# Altium PCB UltraZohm_Analog_Adapter_MAX11331.PcbDoc (part 1 of 2) (continued)
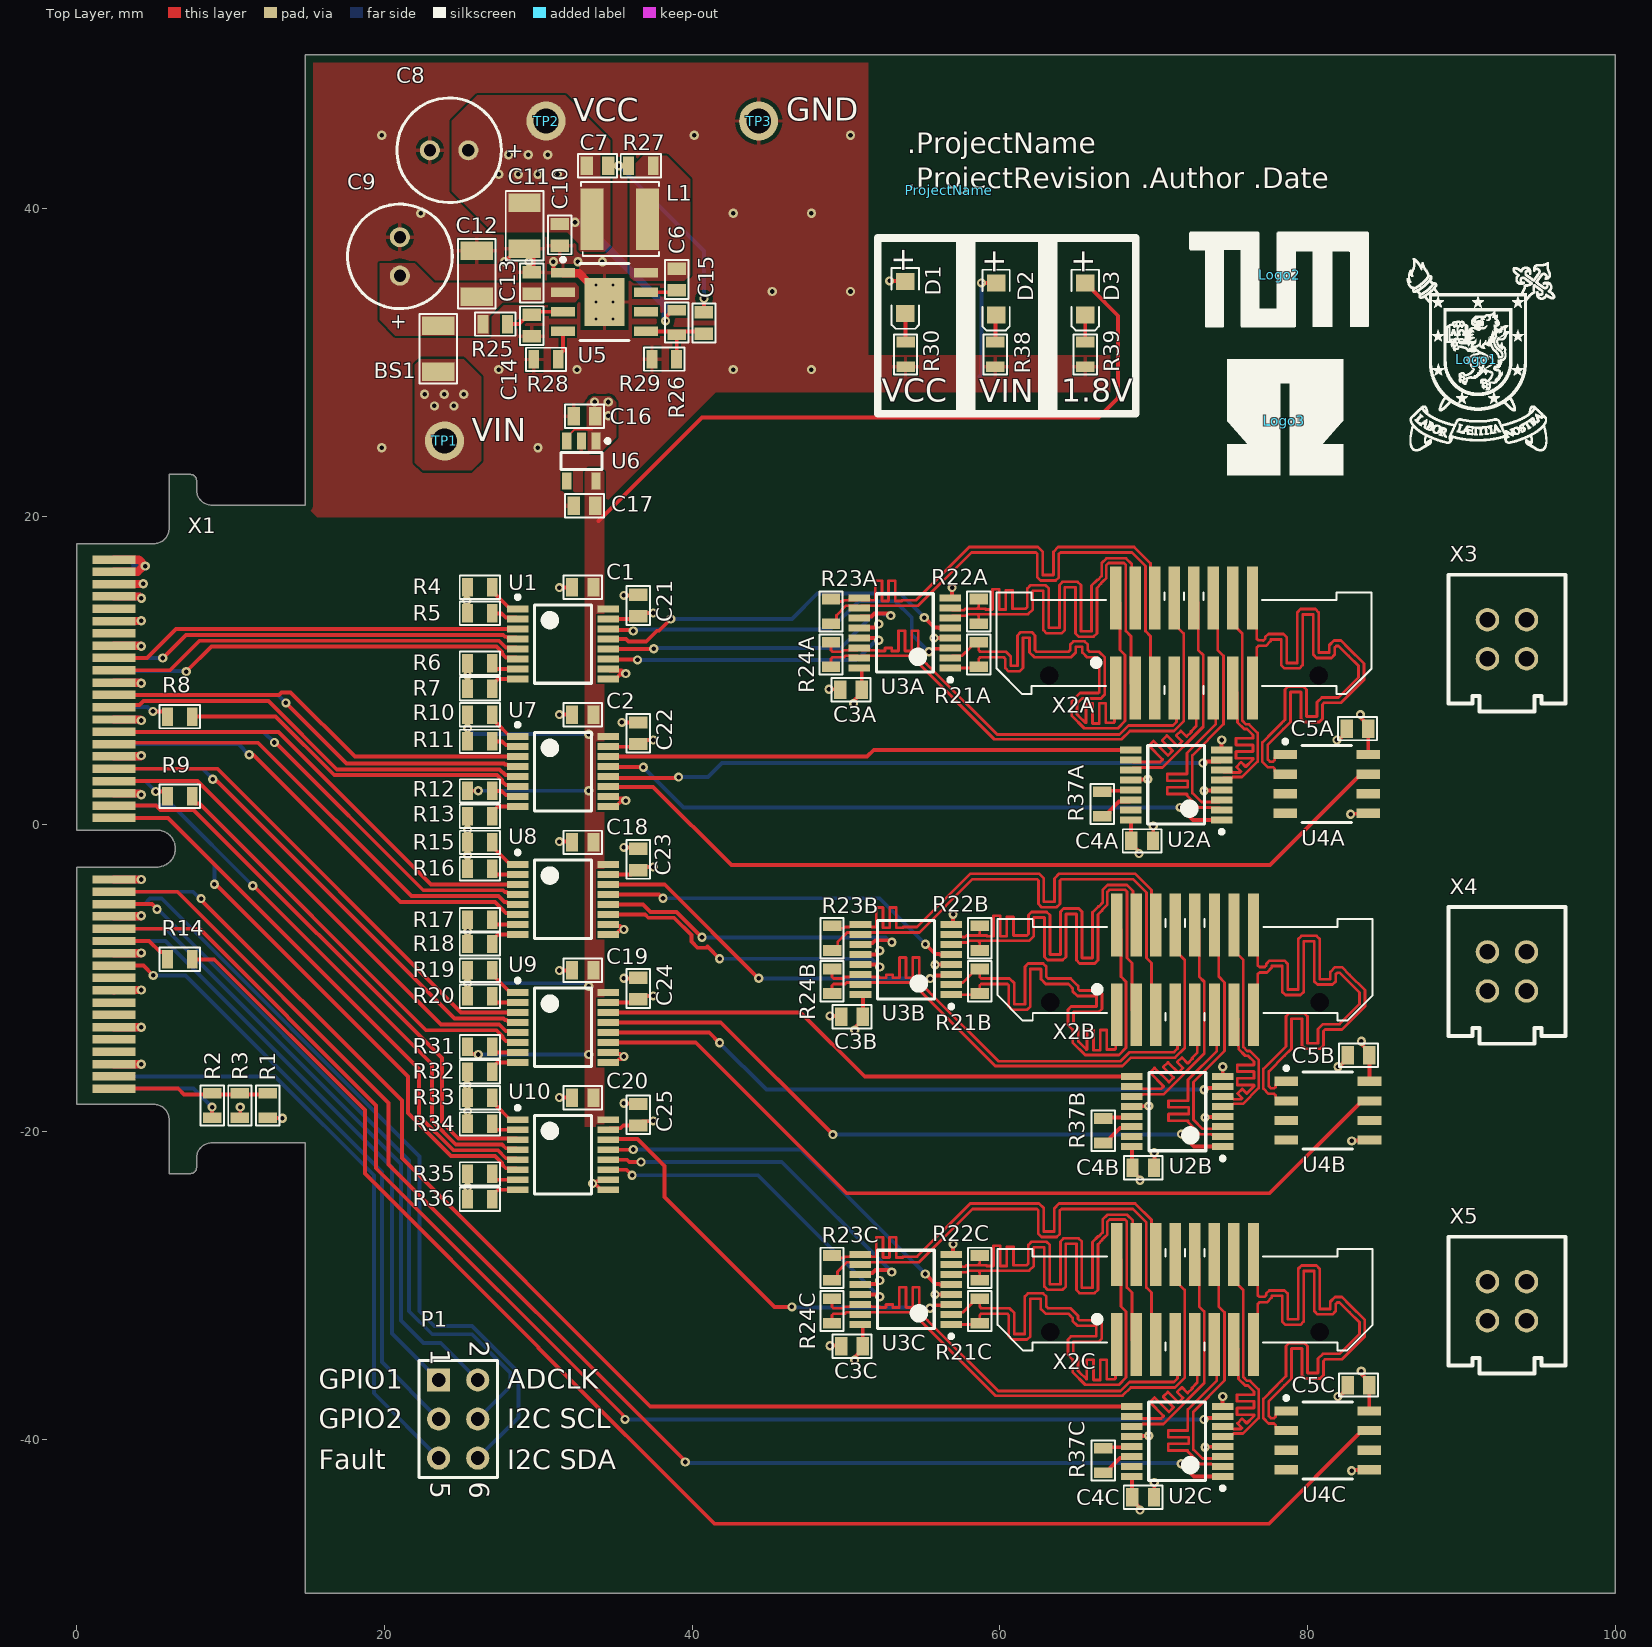
[diagram p0: Top Layer view]
## Components (designator, comment, footprint, x,y, rotation, side; value= is the part's Value field where it differs from the comment)
BS1 "Ferrite bead" RES_1206 23.5,29.4 r0 top
C1 "100nF" CAP_0603 33.581,15.4 r270 top
C2 "100nF" CAP_0603 33.581,7.1 r270 top
C3A "100nF" CAP_0603 51.024,8.719 r270 top (schematic designator C3)
C3B "100nF" CAP_0603 51.092,-12.52 r270 top (schematic designator C3)
C3C "100nF" CAP_0603 51.089,-33.958 r270 top (schematic designator C3)
C4A "100nF" CAP_0603 68.553,-1.102 r90 top (schematic designator C4)
C4B "100nF" CAP_0603 68.621,-22.341 r90 top (schematic designator C4)
C4C "100nF" CAP_0603 68.617,-43.779 r90 top (schematic designator C4)
C5A "100nF" CAP_0603 83.954,6.205 r270 top (schematic designator C5)
C5B "100nF" CAP_0603 84.022,-15.034 r270 top (schematic designator C5)
C5C "100nF" CAP_0603 84.018,-36.472 r270 top (schematic designator C5)
C6 "2.2nF" CAP_0603 39,36.1 r0 top
C7 "1.2nF" CAP_0603 33.144,42.799 r90 top
C8 "68µF" WCAP-ATG8_6.3x11 24.2,43.8 r0 top
C9 "68µF" WCAP-ATG8_6.3x11 21,36.9 r270 top
C10 "100nF" CAP_0603 31.4,39 r0 top
C11 "10µF" RES_1206 29.1,40.4 r180 top
C12 "10µF" RES_1206 26,34.27 r0 top
C13 "100nF" CAP_0603 29.56,34.47 r180 top
C14 "1µF" CAP_0603 29.56,33.1 r0 top
C15 "91pF" CAP_0603 40.767,33.274 r0 top
C16 "1µF" CAP_0603 33.7,26.5 r270 top
C17 "1µF" CAP_0603 33.7,20.7 r270 top
C18 "100nF" CAP_0603 33.581,-1.2 r270 top
C19 "100nF" CAP_0603 33.581,-9.5 r270 top
C20 "100nF" CAP_0603 33.581,-17.8 r270 top
C21 "100nF" CAP_0603 36.5,13.5 r180 top
C22 "100nF" CAP_0603 36.5,5.2 r180 top
C23 "100nF" CAP_0603 36.5,-3 r180 top
C24 "100nF" CAP_0603 36.5,-11.4 r180 top
C25 "100nF" CAP_0603 36.5,-19.6 r180 top
D1 "VCC" LED_0805_GREEN 53.856,34.227 r270 top
D2 "VIN" LED_0805_GREEN 59.756,34.127 r270 top
D3 "1.8V" LED_0805_GREEN 65.556,34.127 r270 top
L1 "33µH" "Inductor 5030" 35.3,39.33 r180 top
Logo1 "LOGO USACH" "Logo Usach" 91,30.2 r0 top
Logo2 "LOGO TUM" "Logo TUM" 78.2,35.7 r0 top
Logo3 "LOGO G.S. Ohm" "Logo G.S.Ohm University" 78.5,26.2 r0 top
P1 "Header 3X2" HDR2X3 23.52,-36.144 r270 top
ProjectName "Project Name, Rev" ID_ProjectRev 56.7,41.2 r0 top
R1 "DNP" RES_0603 12.4,-17.5 r0 top value=0
R2 "0" RES_0603 8.8,-19.1 r180 top
R3 "DNP" RES_0603 10.6,-17.5 r0 top value=0
R4 "10k" RES_0603 25.4,15.4 r90 top
R5 "10k" RES_0603 25.4,13.694 r90 top
R6 "10k" RES_0603 25.4,10.45 r90 top
R7 "10k" RES_0603 25.4,8.8 r90 top
R8 "0R" RES_0603 7.493,6.985 r270 top
R9 "0R" RES_0603 7.493,1.8 r270 top
R10 "10k" RES_0603 25.4,7.1 r90 top
R11 "10k" RES_0603 25.4,5.368 r90 top
R12 "10k" RES_0603 25.4,2.15 r90 top
R13 "10k" RES_0603 25.4,0.5 r90 top
R14 "0R" RES_0603 5.893,-8.8 r90 top
R15 "10k" RES_0603 25.4,-1.2 r90 top
R16 "10k" RES_0603 25.4,-2.9 r90 top
R17 "10k" RES_0603 25.4,-6.226 r90 top
R18 "10k" RES_0603 25.4,-7.8 r90 top
R19 "10k" RES_0603 25.4,-9.5 r90 top
R20 "10k" RES_0603 25.4,-11.2 r90 top
R21A "100R" RES_0603 58.624,10.219 r180 top (schematic designator R21)
R21B "100R" RES_0603 58.692,-11.02 r180 top (schematic designator R21)
R21C "100R" RES_0603 58.689,-32.458 r180 top (schematic designator R21)
R22A "100R" RES_0603 58.624,14.619 r0 top (schematic designator R22)
R22B "100R" RES_0603 58.692,-6.62 r0 top (schematic designator R22)
R22C "100R" RES_0603 58.689,-28.058 r0 top (schematic designator R22)
R23A "100R" RES_0603 49.024,14.619 r0 top (schematic designator R23)
R23B "100R" RES_0603 49.092,-6.62 r0 top (schematic designator R23)
R23C "100R" RES_0603 49.089,-28.058 r0 top (schematic designator R23)
R24A "100R" RES_0603 49.024,10.219 r180 top (schematic designator R24)
R24B "100R" RES_0603 49.092,-11.02 r180 top (schematic designator R24)
R24C "100R" RES_0603 49.089,-32.458 r180 top (schematic designator R24)
R25 "2.2M" RES_0603 28,32.5 r270 top
R26 "200k" RES_0603 38.989,31.801 r180 top
R27 "115k" RES_0603 35.865,42.799 r90 top
R28 "10k" RES_0603 29.7,30.2 r90 top
R29 "100k" RES_0603 37.389,30.226 r90 top
R30 "330" RES_0603 53.87,31.327 r0 top
R31 "10k" RES_0603 25.4,-14.475 r90 top
R32 "10k" RES_0603 25.4,-16.1 r90 top
R33 "10k" RES_0603 25.4,-17.8 r90 top
R34 "10k" RES_0603 25.4,-19.5 r90 top
R35 "10k" RES_0603 25.4,-22.75 r90 top
R36 "10k" RES_0603 25.4,-24.4 r90 top
R37A "100R" RES_0603 66.653,0.498 r180 top (schematic designator R37)
R37B "100R" RES_0603 66.721,-20.741 r180 top (schematic designator R37)
R37C "100R" RES_0603 66.717,-42.179 r180 top (schematic designator R37)
R38 "20k" RES_0603 59.712,31.327 r0 top
R39 "100R" RES_0603 65.554,31.327 r0 top
TP1 "VIN" TP_1.6mm 23.9,24.9 r0 top
TP2 "VCC" TP_1.6mm 30.5,45.7 r0 top
TP3 "GND" TP_1.6mm 44.323,45.7 r0 top
U1 "SN74AVC4T774" TSOP65P640X120-16N 31.6,11.7 r0 top
U2A "Quad LVDS driver" TSOP65P640X120-16N 71.468,2.545 r180 top (schematic designator U2)
U2B "Quad LVDS driver" TSOP65P640X120-16N 71.536,-18.694 r180 top (schematic designator U2)
U2C "Quad LVDS driver" TSOP65P640X120-16N 71.532,-40.132 r180 top (schematic designator U2)
U3A "Quad LVDS reciever" TSOP65P640X120-16N 53.824,12.419 r180 top (schematic designator U3)
U3B "Quad LVDS reciever" TSOP65P640X120-16N 53.892,-8.82 r180 top (schematic designator U3)
U3C "Quad LVDS reciever" TSOP65P640X120-16N 53.889,-30.258 r180 top (schematic designator U3)
U4A "Signle LVDS receiver" SOIC127P600X170_HS-9N_no_THP 81.254,2.605 r0 top (schematic designator U4)
U4B "Signle LVDS receiver" SOIC127P600X170_HS-9N_no_THP 81.322,-18.634 r0 top (schematic designator U4)
U4C "Signle LVDS receiver" SOIC127P600X170_HS-9N_no_THP 81.318,-40.072 r0 top (schematic designator U4)
U5 "buck converter" SOIC127P600X170_HS-9N 34.3,33.935 r0 top
U6 "LDO" SOT-23-5 32.8,23.6 r90 top
U7 "SN74AVC4T774" TSOP65P640X120-16N 31.6,3.4 r0 top
U8 "SN74AVC4T774" TSOP65P640X120-16N 31.6,-4.9 r0 top
U9 "SN74AVC4T774" TSOP65P640X120-16N 31.6,-13.225 r0 top
U10 "SN74AVC4T774" TSOP65P640X120-16N 31.6,-21.5 r0 top
X1 "HSEC8-140-01-XX-DV-A-BL-CARD" HSEC8-140-01-XX-DV-A-BL-CARD 0.013,-0.007 r270 bottom
X2A "2x8 Pin" EHF-108-01-F-D-SM 71.978,11.76 r0 top (schematic designator X2)
X2B "2x8 Pin" EHF-108-01-F-D-SM 72.046,-9.479 r0 top (schematic designator X2)
X2C "2x8 Pin" EHF-108-01-F-D-SM 72.042,-30.917 r0 top (schematic designator X2)
X3 "IPL1-102-01-L-D-K" IPL1-102-01-L-D-K 92.97,12.014 r0 top
X4 "IPL1-102-01-L-D-K" IPL1-102-01-L-D-K 92.97,-9.586 r0 top
X5 "IPL1-102-01-L-D-K" IPL1-102-01-L-D-K 92.97,-31.023 r0 top

## Footprints (in the part's own frame and the unit in brackets; to place one, negate y for a bottom-side part, rotate by r counter-clockwise, add the part's x,y. Pads: shape width x height; smd on the part's side, far side on the other; paste and mask are expansions set on the pad)
CAP_0603 [mm] "CAP CER 0603"
  rect 1.2x0.8 smd: 1(0,0) 2(0,-1.4)
  silkscreen extent -0.76,-1.96 0.76,0.56, body extent -0.39,-1.45 0.41,0.15, height 0.4
EHF-108-01-F-D-SM [mil]
  rect 29x161 smd: 1(-175,-115) 2(-175,115) 3(-125,-115) 4(-125,115) 5(-75,-115) 6(-75,115) 7(-25,-115) 8(-25,115) 9(25,-115) 10(25,115) 11(75,-115) 12(75,115) 13(125,-115) 14(125,115) 15(175,-115) 16(175,115)
  round 43.31 hole 47 unplated: ""(-345,-83) ""(345,-83)
  silkscreen extent -480,-130 480,130, body extent -485,-148 485,148, height 445
HDR2X3 [mm] "Connector; Header; 3x2 Position"
  rect 1.5x1.5 hole 0.9: 1(0,0)
  round 1.5 hole 0.9: 2(0,2.54) 3(2.54,0) 4(2.54,2.54) 5(5.08,0) 6(5.08,2.54)
  silkscreen extent -1.27,-1.27 6.35,3.81
HSEC8-140-01-XX-DV-A-BL-CARD [mm]
  rect 0.55x2.8 smd far side mask+0.05: 1(-17.2,-2.4) 3(-16.4,-2.4) 5(-15.6,-2.4) 7(-14.8,-2.4) 9(-14,-2.4) 11(-13.2,-2.4) 13(-12.4,-2.4) 15(-11.6,-2.4) 17(-10.8,-2.4) 19(-10,-2.4) 21(-9.2,-2.4) 23(-8.4,-2.4) 25(-7.6,-2.4) 27(-6.8,-2.4) 29(-6,-2.4) 31(-5.2,-2.4) 33(-4.4,-2.4) 35(-3.6,-2.4) 37(-2.8,-2.4) 39(-2,-2.4) 41(-1.2,-2.4) 43(-0.4,-2.4) 45(3.6,-2.4) 47(4.4,-2.4) 49(5.2,-2.4) 51(6,-2.4) 53(6.8,-2.4) 55(7.6,-2.4) 57(8.4,-2.4) 59(9.2,-2.4) 61(10,-2.4) 63(10.8,-2.4) 65(11.6,-2.4) 67(12.4,-2.4) 69(13.2,-2.4) 71(14,-2.4) 73(14.8,-2.4) 75(15.6,-2.4) 77(16.4,-2.4) 79(17.2,-2.4)
  rect 0.55x2.8 smd mask+0.05: 2(-17.2,-2.4) 4(-16.4,-2.4) 6(-15.6,-2.4) 8(-14.8,-2.4) 10(-14,-2.4) 12(-13.2,-2.4) 14(-12.4,-2.4) 16(-11.6,-2.4) 18(-10.8,-2.4) 20(-10,-2.4) 22(-9.2,-2.4) 24(-8.4,-2.4) 26(-7.6,-2.4) 28(-6.8,-2.4) 30(-6,-2.4) 32(-5.2,-2.4) 34(-4.4,-2.4) 36(-3.6,-2.4) 38(-2.8,-2.4) 40(-2,-2.4) 42(-1.2,-2.4) 44(-0.4,-2.4) 46(3.6,-2.4) 48(4.4,-2.4) 50(5.2,-2.4) 52(6,-2.4) 54(6.8,-2.4) 56(7.6,-2.4) 58(8.4,-2.4) 60(9.2,-2.4) 62(10,-2.4) 64(10.8,-2.4) 66(11.6,-2.4) 68(12.4,-2.4) 70(13.2,-2.4) 72(14,-2.4) 74(14.8,-2.4) 76(15.6,-2.4) 78(16.4,-2.4) 80(17.2,-2.4)
ID_ProjectRev [mm] "project name + revision number"
"Inductor 5030" [mm]
  rect 1.5x4 smd: 1(-1.8,0) 2(1.8,0)
  silkscreen extent -2.54,-2.41 2.54,2.41, body extent -2.44,-2.44 2.44,2.44, height 3
IPL1-102-01-L-D-K [mil]
  round 60 hole 40 mask+3: 1(-50,50) 2(50,50) 3(-50,-50) 4(50,-50)
  silkscreen extent -150,-185 150,165, body extent -130,-165 130,145, height 320
LED_0805_GREEN [mm] "Chip LED, 2-Leads, Body 2.0x1.3mm, IPC Medium Density"
  rect 1.1x1.2 smd: 1(-1.05,0) 2(1.05,0)
  silkscreen extent -1.91,-0.89 2.03,0.89, body extent -1,-0.63 1,0.62, height 0.68
"Logo G.S.Ohm University" [mm] "9.5 x 12.6 mm"
  silkscreen extent -3.72,-3.5 3.83,4.01
"Logo TUM" [mm] "9.5 x 12.6 mm"
  silkscreen extent -5.87,-3.37 5.79,2.8
"Logo Usach" [mm] "9.5 x 12.6 mm"
  silkscreen extent -4.53,-5.94 5.09,6.59
RES_0603 [mm] "RES 0603"
  rect 1.2x0.7 smd: 1(0,0) 2(0,-1.6)
  silkscreen extent -0.76,-2.11 0.76,0.51, body extent -0.45,-1.59 0.45,0.01, height 0.5
RES_1206 [mm] "RES 1206"
  rect 2.1x1.2 smd: 1(0,0) 2(0,3)
  silkscreen extent -1.22,-0.76 1.22,3.76, body extent -0.78,-0.1 0.82,3.1, height 0.6
SOIC127P600X170_HS-9N [mm] "SOIC, 8-Leads, Body 4,90x3,90mm, Pitch 1,27mm, Thermal Pad 3,10x2,60mm, IPC Medium Density"
  rect 1.55x0.6 smd: 1(-2.7,1.905) 2(-2.7,0.635) 3(-2.7,-0.635) 4(-2.7,-1.905) 5(2.7,-1.905) 6(2.7,-0.635) 7(2.7,0.635) 8(2.7,1.905)
  rect 2.6x3.1 smd: 9(0,0)
  silkscreen extent -2.82,-2.5 1.6,2.88, body extent -3,-2.45 3,2.45, height 1.75
SOIC127P600X170_HS-9N_no_THP [mm] "SOIC, 8-Leads, Body 4,90x3,90mm, Pitch 1,27mm, Thermal Pad 3,10x2,60mm, IPC Medium Density"
  rect 1.55x0.6 smd: 1(-2.7,1.905) 2(-2.7,0.635) 3(-2.7,-0.635) 4(-2.7,-1.905) 5(2.7,-1.905) 6(2.7,-0.635) 7(2.7,0.635) 8(2.7,1.905)
  silkscreen extent -2.82,-2.5 1.6,2.88, body extent -2.99,-2.46 3.01,2.44, height 1.75
SOT-23-5 [mm] "SOT353, 5-Leads, Body 2x1.3mm, Pitch 0.65mm, Lead Span 2.1mm, IPC Medium Density"
  rect 1.1x0.6 smd: 1(1.3,-0.95) 2(1.3,0) 3(1.3,0.95) 4(-1.3,0.95) 5(-1.3,-0.95)
  silkscreen extent -0.55,-1.83 1.42,1.32, body extent -1.25,-1.56 1.25,1.44, height 1.06
TP_1.6mm [mm]
  round 2.54 hole 1.6: 1(0,0)
  body extent -1.59,-1.66 1.59,1.51, height 5.74
TSOP65P640X120-16N [mm] "TSOP, 16-Leads, Body 5,00x4,40mm, Pitch 0,65mm, IPC Medium Density"
  rect 1.4x0.45 smd: 1(-2.95,2.275) 2(-2.95,1.625) 3(-2.95,0.975) 4(-2.95,0.325) 5(-2.95,-0.325) 6(-2.95,-0.975) 7(-2.95,-1.625) 8(-2.95,-2.275) 9(2.95,-2.275) 10(2.95,-1.625) 11(2.95,-0.975) 12(2.95,-0.325) 13(2.95,0.325) 14(2.95,0.975) 15(2.95,1.625) 16(2.95,2.275)
  silkscreen extent -3.07,-2.55 1.85,3.17, body extent -3.2,-2.5 3.2,2.5, height 1.1
WCAP-ATG8_6.3x11 [mm] "Aluminum Electrolytic Capacitors, 6.3x11mm"
  round 1.3 hole 0.8: 1(-1.25,0) 2(1.25,0)
  silkscreen extent -3.4,-3.4 3.4,3.4, body extent -3.14,-3.15 3.15,3.15, height 11.31

## Part data
BS1: library part Bead, "6A", Manufacturer Part-Number=HI1206T500R-10, Digikey Part-Number=240-2412-1-ND
C1 C2 C3A C3B C3C C4A C4B C4C C5A C5B C5C C10 C13 C18 C19 C20 C21 C22 C23 C24 C25: library part Cap_0603, "Capacitor", Manufacturer Part-Number=LD03YC104KAB2A, Digikey Part-Number=478-4929-1-ND, LatestRevisionDate=17-Jul-2002, LatestRevisionNote="Re-released for DXP Platform.", PackageReference=RAD-0.3, Published=8-Jun-2000, Publisher="Altium Limited", Rule=PcbType=ProtelPcb
C6: library part Cap_0603, "Capacitor Ceramic", Manufacturer Part-Number=C0603C222K5RACTU, Voltage=50V, Digikey Part-Number=399-1085-1-ND
C7: library part Cap_0603, "Capacitor Ceramic", Manufacturer Part-Number=GRM1885C1H122JA01D, Voltage=50V, Digikey Part-Number=490-1453-1-ND
C8 C9: library part 860010573006, "WCAP-ATG8 THT Aluminum Electrolytic Capacitors, D6.3mm x L11mm, 68uF, +/-20%, 35VDC", Capacitance Tolerance=+/-20%, Leakage Current=23.8uA, Operating Temperature="-40 to +85degC", Rated Voltage=35V, Ripple Current max.=198mA, Supplier Part Number 1=732-8736-1-ND, ComponentLink1Description=Manufacturer, ComponentLink1URL=http://www.we-online.de, ComponentLink2Description=Datasheet, ComponentLink2URL=https://katalog.we-online.com/pbs/datasheet/860010573006.pdf, Diameter=6.3mm, Dissipation Factor=12%, Endurance=2000h, Length=11mm, Mounting Technology=THT, Packaging="Ammo Pack", Part Number=860010573006, Published Date="August 2019", Publisher="Wurth Elektronik", Supplier 1=Digikey, Technical Reference=ATBD110680M035DSPA4B000
C11 C12: library part Cap_1206, "Capacitor", Manufacturer Part-Number=GRM319R6YA106KA12D, Voltage="35 V", Digikey Part-Number=490-9964-2-ND*
C14 C16 C17: library part Cap_0603, "Capacitor Ceramic", Manufacturer Part-Number=CL10A105KB8NNNC, Voltage="50 V", Digikey Part-Number=1276-1860-1-ND
C15: library part Cap_0603, "Capacitor Ceramic", Manufacturer Part-Number=GRM1885C1H910JA01D, Voltage=50V, Digikey Part-Number=490-1426-1-ND
D1 D2: library part LED2, "LED Blue", Manufacturer Part-Number=150080BS75000, PackageDocument=Feb-2002, Digikey Part-Number=732-4982-1-ND, LatestRevisionDate=17-Jul-2002, LatestRevisionNote="Re-released for DXP Platform.", PackageReference=3.2X1.6X1.1, Published=8-Jun-2000, Publisher="Altium Limited"
D3: library part LED2, "LED Blue", Manufacturer Part-Number=150080VS75000, PackageDocument=Feb-2002, Digikey Part-Number=732-4986-1-ND, LatestRevisionDate=17-Jul-2002, LatestRevisionNote="Re-released for DXP Platform.", PackageReference=3.2X1.6X1.1, Published=8-Jun-2000, Publisher="Altium Limited"
L1: library part NR5030T330M, "SMT power Inductor, 33µH, 225m DRC", MPN=NRS5030T330MMGJ, Rated Current="0.8 A", Supplier Part Number 1=587-3458-1-ND, DCR=225mOhm, MF="Taiyo Yuden", Supplier 1=Digikey
P1: "Header, 3-Pin, Dual row", LatestRevisionDate=17-Jul-2002, LatestRevisionNote="Re-released for DXP Platform.", Publisher="Altium Limited"
ProjectName: "Project Name and Revision Number", Created=2018_11_23_AGeiger
R1 R2 R3: library part Res0603, Manufacturer Part-Number=CRCW06030000Z0EA, Digikey Part-Number=541-0.0GCT-ND, LatestRevisionDate=17-Jul-2002, LatestRevisionNote="Re-released for DXP Platform.", PackageDescription="Axial Device, Thru-Hole; 2 Leads; 0.3 in Pin Spacing", PackageReference=AXIAL-0.3, Published=8-Jun-2000, Publisher="Altium Limited"
R4 R5 R6 R7 R8 R9 R10 R11 R12 R13 R14 R15 R16 R17 R18 R19 R20 R21A R21B R21C R22A R22B R22C R23A R23B R23C R24A R24B R24C R25 R26 R27 R28 R29 R31 R32 R33 R34 R35 R36 R37A R37B R37C R39: library part Res0603, LatestRevisionDate=17-Jul-2002, LatestRevisionNote="Re-released for DXP Platform.", PackageDescription="Axial Device, Thru-Hole; 2 Leads; 0.3 in Pin Spacing", PackageReference=AXIAL-0.3, Published=8-Jun-2000, Publisher="Altium Limited"
  R4 R5 R6 R7 R10 R11 R12 R13 R15 R16 R17 R18 R19 R20 R28 R31 R32 R33 R34 R35 R36: Digikey Part-Number=311-10.0KHRCT-ND
  R8 R9 R14: Digikey Part-Number=311-0.0GRCT-ND
  R21A R21B R21C R22A R22B R22C R23A R23B R23C R24A R24B R24C R37A R37B R37C R39: Digikey Part-Number=311-100HRCT-ND
  R25: Digikey Part-Number=2019-RK73H1JTTD2204FCT-ND
  R26: Digikey Part-Number=P200KHCT-ND
  R27: Digikey Part-Number=2019-RK73H1JTTD1153FCT-ND
  R29: Digikey Part-Number=RR08P100KDCT-ND
R30 R38: library part Res0603, Manufacturer Part-Number=RC0603FR-07330RL, Digikey Part-Number=311-330HRCT-ND, LatestRevisionDate=17-Jul-2002, LatestRevisionNote="Re-released for DXP Platform.", PackageDescription="Axial Device, Thru-Hole; 2 Leads; 0.3 in Pin Spacing", PackageReference=AXIAL-0.3, Published=8-Jun-2000, Publisher="Altium Limited"
TP1 TP2 TP3: library part TP, "1.6mm Test Point Keystone", MPN=5006, Supplier Part Number 1=36-5006-ND, Created=2020_04_Kreppel, MF="Keystone Electronics", Supplier 1=Digikey
U1 U7 U8 U9 U10: "4-Bit Dual-Supply Bus Transceiver With Configurable Voltage-Level Shifting and 3-State Outputs With Independent Direction Control Inputs", MPN=SN74AVC4T77PW, Supplier Part Number 1=296-24739-1-ND, Created=2020_05_Kreppel, MF="Texas Instruments", Supplier 1=Digikey
U2A U2B U2C: library part ADN4665, "3V, LVDS, Quad, CMOS Differential Line Driver", MPN=ADN4665ARUZ, Supplier Part Number 1=ADN4665ARUZ-ND, Created=2020_05_Kreppel, MF="Analog Devices", Supplier 1=Digikey
U3A U3B U3C: library part ADN4666, "3V, LVDS, quad, CMOS Differential Line Receiver", MPN=ADN4666ARUZ, Supplier Part Number 1=ADN4666ARUZ-ND, Created=2020_05_Kreppel, MF="Analog Devices", Supplier 1=Digikey
U4A U4B U4C: library part ADN4662, "Single, 3V, CMOS, LVDS High Speed Differential Receiver", MPN=ADN4662BRZ, Supplier Part Number 1=ADN4662BRZ-ND, Created=2020_05_Kreppel, MF="Analog Devices", Supplier 1=Digikey
U5: library part LM5163, "100V Input, 0.5A Synchronous Buck DC/DC Converter with Ultra-low Iq", MPN=LM5163DDAR, Supplier Part Number 1=296-LM5163DDARCT-ND*, Created=2020_05_Kreppel, MF="Texas Instruments", Supplier 1=Digikey
U6: library part TLV74318, "0.3A Low-Dropout Regulator", MPN=TLV74318PDBVR, Supplier Part Number 1=296-48712-1-ND, Created=2020_05_Kreppel, MF="Texas Instruments", Supplier 1=Digikey
X1: "Mating Card Layout for HSEC8-140-01-XX-DV-A-BL", Manufacturer=SAMTEC, Created=2018_04_23_AGeiger
X2A X2B X2C: library part EHF-108-01-F-D, "Dual Row, 2x8 Shrouded IDC Header with Ejectors 50 mil pitch", Supplier Part Number 1=SAM9265-ND, Created=2020_05_Kreppel, MF=Samtec, MPN=EHF-108-01-F-D, Supplier 1=Digikey
X3 X4 X5: library part IPL1-102-XX-X-D-X, "2.54mm Double Row Terminal Assembly, Right-Angled", Manufacturer=SAMTEC, Created=2018_05_02_AGeiger, MPN=IPL1-102-01-L-D-K

## Via types
v1: diameter 0.6, hole 0.3, Top Layer to Bottom Layer, tented both sides, 184 vias
v2: diameter 0.5, hole 0.2, Top Layer to Bottom Layer, tented both sides, 6 vias

## Nets (pads, with @x,y where several pads share a name; then routed paths per layer and width w, separated by ;. In a path a pad name is that pad's centre, name@x,y a point inside that pad or via, vN(x,y) a via of type N, cw(c..) or ccw(c..) an arc to the next point about the centre after c; other vN are vias at no path point)
1.8V: C1.1 C2.1 C17.1 C18.1 C19.1 C20.1 D3.1 R10.1 R11.1 R12.1 R19.1 R20.1 R31.1 U1.16 U6.5 U7.16 U8.16 U9.16 U10.16 | length 81
  Top Layer w0.254: R31.1@25.4,-14.475 25.4,-14.725 25.623,-14.948 26.058,-14.948 v1(26.096,-14.986) ; R20.1@25.4,-11.2 v1(25.4,-10.35) R19.1@25.4,-9.5 ; R12.1@25.4,2.15 25.409,2.159 v1(26.096,2.159) ; R11.1@25.4,5.368 v1(25.4,6.234) R10.1@25.4,7.1 ; 33.909,19.685 40.64,26.416 66.421,26.416 67.691,27.686 67.691,33.042 66.029,34.704 66.029,34.754 65.606,35.177 D3.1@65.556,35.177
  Bottom Layer w0.254: v1(25.4,-10.35) 32.989,-10.35 33.18,-10.541 v1(33.274,-10.541) ; v1(25.4,6.234) 25.792,5.842 v1(33.274,5.842) ; v1(26.096,-14.986) v1(33.274,-14.986) ; v1(26.096,2.159) v1(33.274,2.159)
ADCLK: P1.2 X1.54 | length 41.8
  Bottom Layer w0.254: X1.54@2.413,-6.807 5.765,-6.807 21.064,-22.106 21.064,-32.266 22.54,-33.741 23.657,-33.741 P1.2@26.06,-36.144
Collective_FLT: P1.5 X1.78 | length 39.7
  Bottom Layer w0.254: X1.78@2.413,-16.407 12.876,-16.407 19.304,-22.835 19.304,-37.008 P1.5@23.52,-41.224
CS1: U2A.7 U7.12 | length 40.4
  Top Layer w0.254: U7.12@34.55,3.075 34.623,3.002 39.07,3.002 v1(39.116,3.048) ; v1(73.21,3.967) 73.304,3.967 73.409,4.072 74.32,4.072 U2A.7@74.418,4.17
  Bottom Layer w0.254: v1(39.116,3.048) 41.021,3.048 41.94,3.967 v1(73.21,3.967)
CS1_i: U7.5 X1.25 | length 28.4
  Top Layer w0.254: X1.25@2.413,7.593 2.561,7.741 4.058,7.741 4.318,8.001 12.446,8.001 16.891,3.556 27.478,3.556 27.861,3.173 28.552,3.173 U7.5@28.65,3.075
CS2_i: U9.5 X1.37 | length 33
  Top Layer w0.254: X1.37@2.413,2.793 7.845,2.793 23.668,-13.03 27.46,-13.03 27.882,-13.452 28.552,-13.452 U9.5@28.65,-13.55
CS3: U2C.7 X1.53 | length 87.9
  Top Layer w0.254: X1.53@2.413,-6.807 7.975,-6.807 19.456,-18.288 19.456,-22.377 35.485,-38.406 35.485,-38.465 35.636,-38.616 v1(35.636,-38.71) ; v1(73.275,-38.71) 73.368,-38.71 73.474,-38.605 74.384,-38.605 U2C.7@74.482,-38.507
  Bottom Layer w0.254: v1(35.636,-38.71) v1(73.275,-38.71)
CSA_N: U2A.5 X2A.14 | length 14.2
  Top Layer w0.178: U2A.5@74.418,2.87 74.554,3.007 75.092,3.007 75.133,3.048 75.745,3.048 76.761,4.064 76.761,5.916 76.2,6.477 76.014,6.477 75.763,6.728 75.763,8.438 75.763,12.395 75.153,13.005 X2A.14@75.153,14.681
CSA_P: U2A.6 X2A.13 | length 13
  Top Layer w0.178: U2A.6@74.418,3.52 74.554,3.384 75.102,3.384 75.133,3.353 75.619,3.353 75.682,3.416 75.385,3.713 75.69,4.018 75.987,3.721 76.392,4.126 76.456,4.189 76.456,4.278 75.359,4.278 75.359,4.71 76.456,4.71 76.456,5.142 75.359,5.142 75.359,5.574 76.456,5.574 76.456,5.789 76.073,6.171 75.889,6.171 75.458,6.602 75.458,6.779 75.432,6.805 75.432,8.56 X2A.13@75.153,8.839
CSB: U2B.7 U9.12 | length 41.6
  Top Layer w0.254: U9.12@34.55,-13.55 41.109,-13.55 v1(41.783,-14.224) ; v1(73.278,-17.272) 73.372,-17.272 73.477,-17.167 74.388,-17.167 U2B.7@74.486,-17.069
  Bottom Layer w0.254: v1(41.783,-14.224) 44.831,-17.272 v1(73.278,-17.272)
CSB_N: U2B.5 X2B.14 | length 14.2
  Top Layer w0.178: U2B.5@74.486,-18.369 74.622,-18.233 75.16,-18.233 75.201,-18.191 75.813,-18.191 76.829,-17.175 76.829,-15.323 76.268,-14.762 76.082,-14.762 75.83,-14.511 75.83,-12.801 75.83,-8.844 75.221,-8.234 X2B.14@75.221,-6.558
CSB_P: U2B.6 X2B.13 | length 13
  Top Layer w0.178: U2B.6@74.486,-17.719 74.622,-17.855 75.17,-17.855 75.201,-17.886 75.687,-17.886 75.75,-17.824 75.452,-17.527 75.758,-17.221 76.055,-17.518 76.46,-17.113 76.523,-17.05 76.523,-16.961 75.427,-16.961 75.427,-16.529 76.524,-16.529 76.524,-16.097 75.427,-16.097 75.427,-15.666 76.523,-15.666 76.523,-15.45 76.141,-15.068 75.956,-15.068 75.526,-14.637 75.526,-14.46 75.5,-14.434 75.5,-12.679 X2B.13@75.221,-12.4
CSC_N: U2C.5 X2C.14 | length 14.2
  Top Layer w0.178: U2C.5@74.482,-39.807 74.618,-39.67 75.156,-39.67 75.198,-39.629 75.81,-39.629 76.826,-38.613 76.826,-36.761 76.264,-36.2 76.078,-36.2 75.827,-35.949 75.827,-34.239 75.827,-30.282 75.217,-29.672 X2C.14@75.217,-27.996
CSC_P: U2C.6 X2C.13 | length 13
  Top Layer w0.178: U2C.6@74.482,-39.157 74.618,-39.293 75.166,-39.293 75.198,-39.324 75.683,-39.324 75.746,-39.261 75.449,-38.964 75.754,-38.659 76.051,-38.956 76.456,-38.551 76.52,-38.488 76.52,-38.399 75.424,-38.399 75.424,-37.967 76.521,-37.967 76.521,-37.535 75.424,-37.535 75.424,-37.103 76.52,-37.103 76.52,-36.888 76.137,-36.506 75.953,-36.506 75.522,-36.075 75.522,-35.898 75.497,-35.872 75.497,-34.117 X2C.13@75.217,-33.838
EN: C14.1 R25.1 U5.3 | length 3.9
  Top Layer w0.254: R25.1@28,32.5 28.76,32.5 29.36,33.1 C14.1@29.56,33.1 29.76,33.3 U5.3@31.6,33.3
FB: C15.2 R26.1 R29.2 U5.5 | length 5.5
  Top Layer w0.254: U5.5@37,32.03 37.015,32.015 R26.1@38.9,32.015 ; R29.2@39,30.4 39,31.915 R26.1@38.9,32.015 ; C15.2@40.8,32 40.785,32.015 R26.1@38.9,32.015
GND: C1.2 C2.2 C3A.2 C3B.2 C3C.2 C4A.2 C4B.2 C4C.2 C5A.2 C5B.2 C5C.2 C8.1 C9.1 C10.2 C11.2 C12.2 C13.2 C14.2 C16.2 C17.2 C18.2 C19.2 C20.2 C21.2 C22.2 C23.2 C24.2 C25.2 R3.2 R4.1 R5.1 R6.1 R7.1 R13.1 R15.1 R16.1 R17.1 R18.1 R28.1 R29.1 R30.2 R32.1 R33.1 R34.1 R35.1 R36.1 R38.2 R39.2 TP3.1 U1.9 U1.10 U2A.8 U2A.12 U2B.8 U2B.12 U2C.8 U2C.12 U3A.8 U3A.12 U3B.8 U3B.12 U3C.8 U3C.12 U4A.5 U4B.5 U4C.5 U5.1 U5.9 U6.2 U7.9 U7.10 U8.9 U8.10 U9.9 U9.10 U10.9 U10.10 X1.1 X1.2 X1.3 X1.4 X1.7 X1.8 X1.11 X1.12 X1.15 X1.16 X1.21 X1.22 X1.27 X1.28 X1.33 X1.34 X1.39 X1.40 X1.45 X1.46 X1.51 X1.52 X1.57 X1.58 X1.63 X1.64 X1.69 X1.70 X1.75 X1.76 X3.1 X3.2 X4.1 X4.2 X5.1 X5.2 | length 122.1
  Top Layer w0.254: R3.2@10.6,-19.1 10.617,-19.083 v1(10.617,-18.404) ; R36.1@25.4,-24.4 v1(25.4,-23.622) R35.1@25.4,-22.75 ; R34.1@25.4,-19.5 R34.1@25.4,-19.5 25.401,-18.666 v1(25.402,-18.665) 25.402,-17.011 v1(25.368,-16.977) 25.384,-16.961 25.384,-16.116 R32.1@25.4,-16.1 ; R18.1@25.4,-7.8 v1(25.4,-6.985) R17.1@25.4,-6.15 ; R16.1@25.4,-2.9 v1(25.4,-2.032) R15.1@25.4,-1.2 v1(25.4,-0.381) R13.1@25.4,0.5 ; R7.1@25.4,8.8 v1(25.4,9.652) R6.1@25.4,10.45 ; R5.1@25.4,13.694 25.375,13.718 25.375,14.499 v1(25.351,14.524) 25.375,14.548 25.375,15.375 R4.1@25.4,15.4 ; v1(27.796,36.546) 28.65,37.4 C11.2@29.1,37.4 ; v1(30.979,36.546) 30.979,36.013 31.152,35.84 U5.1@31.6,35.84 ; v1(31.369,-17.78) 32.161,-17.78 C20.2@32.181,-17.8 ; v1(31.369,-9.525) 32.156,-9.525 C19.2@32.181,-9.5 ; v1(31.369,-1.143) 32.124,-1.143 C18.2@32.181,-1.2 ; v1(31.369,7.112) 32.169,7.112 C2.2@32.181,7.1 ; v1(31.369,15.367) 32.148,15.367 C1.2@32.181,15.4 ; v1(33.528,-23.368) v1@33.622,-23.368 ; U10.9@34.55,-23.775 34.075,-23.775 33.734,-23.434 33.688,-23.434 v1@33.622,-23.368 ; U10.10@34.55,-23.125 34.452,-23.223 33.767,-23.223 v1@33.622,-23.368 ; U9.9@34.55,-15.5 35.025,-15.5 35.229,-15.296 35.377,-15.296 v1(35.56,-15.113) 35.466,-15.113 35.301,-14.948 34.648,-14.948 U9.10@34.55,-14.85 ; U8.9@34.55,-7.175 35.025,-7.175 35.276,-6.924 35.494,-6.924 v1(35.56,-6.858) 35.325,-6.623 34.648,-6.623 U8.10@34.55,-6.525 ; U7.9@34.55,1.125 35.025,1.125 35.358,1.458 35.621,1.458 v1(35.687,1.524) 35.593,1.524 35.44,1.677 34.648,1.677 U7.10@34.55,1.775 ; U1.9@34.55,9.425 35.025,9.425 35.313,9.713 35.621,9.713 v1(35.687,9.779) 35.593,9.779 35.395,9.977 34.648,9.977 U1.10@34.55,10.075 ; v1(35.433,6.604) 36.496,6.604 C22.2@36.5,6.6 ; v1(35.56,-18.161) 36.461,-18.161 C25.2@36.5,-18.2 ; v1(35.56,-10.033) 36.467,-10.033 C24.2@36.5,-10 ; v1(35.56,-1.524) 36.424,-1.524 C23.2@36.5,-1.6 ; v1(35.56,14.859) 36.459,14.859 C21.2@36.5,14.9 ; v1(48.895,8.763) 49.58,8.763 C3A.2@49.624,8.719 ; v1(48.959,-33.914) 49.645,-33.914 C3C.2@49.689,-33.958 ; v1(48.963,-12.476) 49.648,-12.476 C3B.2@49.692,-12.52 ; U3A.12@50.874,12.744 50.898,12.768 51.896,12.768 v1(52.128,13) ; U3C.12@50.939,-29.933 50.963,-29.909 51.961,-29.909 v1(52.193,-29.677) ; U3B.12@50.942,-8.495 50.966,-8.471 51.964,-8.471 v1(52.196,-8.239) ; U3A.8@56.774,14.694 56.798,14.694 56.896,14.792 v1(56.896,15.367) ; U3C.8@56.839,-27.983 56.862,-27.983 56.96,-27.885 v1(56.96,-27.31) ; U3B.8@56.842,-6.545 56.866,-6.545 56.964,-6.447 v1(56.964,-5.872) ; U2A.12@68.518,2.87 68.536,2.888 69.594,2.888 v1(69.612,2.906) ; U2C.12@68.582,-39.807 68.6,-39.789 69.658,-39.789 v1(69.676,-39.771) ; U2B.12@68.586,-18.369 68.603,-18.351 69.662,-18.351 v1(69.679,-18.334) ; C4A.2@69.953,-1.102 69.977,-1.078 v1(69.977,-0.127) ; C4C.2@70.017,-43.779 70.041,-43.755 v1(70.041,-42.804) ; C4B.2@70.021,-22.341 70.045,-22.317 v1(70.045,-21.366) ; U2A.8@74.418,4.82 74.422,4.824 v1(74.422,5.461) ; U2C.8@74.482,-37.857 74.486,-37.853 v1(74.486,-37.216) ; U2B.8@74.486,-16.419 74.49,-16.415 v1(74.49,-15.778) ; v1(81.915,5.461) 81.981,5.527 82.076,5.527 82.554,6.005 C5A.2@82.554,6.205 ; v1(81.979,-37.216) 82.046,-37.15 82.141,-37.15 82.618,-36.672 C5C.2@82.618,-36.472 ; v1(81.983,-15.778) 82.049,-15.712 82.144,-15.712 82.622,-15.234 C5B.2@82.622,-15.034 ; v1(82.804,0.635) 82.836,0.667 83.921,0.667 U4A.5@83.954,0.7 ; v1(82.868,-42.042) 82.901,-42.01 83.986,-42.01 U4C.5@84.018,-41.977 ; v1(82.872,-20.604) 82.904,-20.572 83.989,-20.572 U4B.5@84.022,-20.539
  Top Layer w0.533: X1.75@2.413,-15.607 2.42,-15.614 4.184,-15.614 v1(4.191,-15.621) ; X1.69@2.413,-13.207 X1.69@2.413,-13.207 v1(4.191,-13.208) ; X1.63@2.413,-10.807 2.419,-10.801 4.185,-10.801 v1(4.191,-10.795) ; X1.57@2.413,-8.407 2.421,-8.398 4.156,-8.398 4.173,-8.382 v1(4.191,-8.382) ; X1.51@2.413,-6.007 2.421,-5.998 4.143,-5.998 4.173,-5.969 v1(4.191,-5.969) ; X1.45@2.413,-3.607 v1(4.191,-3.608) ; X1.39@2.413,1.993 2.421,1.985 4.093,1.985 4.173,1.905 v1(4.191,1.905) ; X1.33@2.413,4.393 2.421,4.401 4.129,4.401 4.173,4.445 v1(4.191,4.445) ; X1.27@2.413,6.793 2.421,6.785 4.119,6.785 4.173,6.731 v1(4.191,6.731) ; X1.21@2.413,9.193 2.421,9.185 4.132,9.185 4.173,9.144 v1(4.191,9.144) ; X1.15@2.413,11.593 2.421,11.585 4.145,11.585 4.173,11.557 v1(4.191,11.557) ; X1.11@2.413,13.193 2.42,13.201 4.184,13.201 v1(4.191,13.208) ; X1.7@2.413,14.793 2.421,14.785 4.061,14.785 4.175,14.671 v1(4.193,14.671) ; X1.3@2.413,16.393 2.421,16.402 3.956,16.402 v1@4.191,16.637 ; X1.1@2.413,17.193 2.421,17.185 4.024,17.185 v1(4.445,16.764) ; C11.2@29.1,37.4 29.227,37.4 29.56,37.067 C13.2@29.56,35.87 ; U5.1@31.6,35.84 31.633,35.807 32.646,35.807 33.235,35.218 33.267,35.218 34.3,34.185 U5.9@34.3,33.935
  Bottom Layer w0.533: X1.76@2.413,-15.607 2.42,-15.614 4.184,-15.614 v1(4.191,-15.621) ; X1.70@2.413,-13.207 v1(4.191,-13.208) ; X1.64@2.413,-10.807 2.419,-10.801 4.185,-10.801 v1(4.191,-10.795) ; X1.58@2.413,-8.407 2.421,-8.398 4.156,-8.398 4.173,-8.382 v1(4.191,-8.382) ; X1.52@2.413,-6.007 2.421,-5.998 4.143,-5.998 4.173,-5.969 v1(4.191,-5.969) ; X1.46@2.413,-3.607 v1(4.191,-3.608) ; X1.40@2.413,1.993 2.421,1.985 4.093,1.985 4.173,1.905 v1(4.191,1.905) ; X1.34@2.413,4.393 2.421,4.401 4.129,4.401 4.173,4.445 v1(4.191,4.445) ; X1.28@2.413,6.793 2.421,6.785 4.119,6.785 4.173,6.731 v1(4.191,6.731) ; X1.22@2.413,9.193 2.421,9.185 4.132,9.185 4.173,9.144 v1(4.191,9.144) ; X1.16@2.413,11.593 2.421,11.585 4.145,11.585 4.173,11.557 v1(4.191,11.557) ; X1.12@2.413,13.193 2.42,13.201 4.184,13.201 v1(4.191,13.208) ; X1.8@2.413,14.793 2.421,14.785 4.061,14.785 4.175,14.671 v1(4.193,14.671) ; X1.4@2.413,16.393 3.538,16.393 3.896,16.751 4.432,16.751 v1(4.445,16.764) 4.432,16.777 3.954,16.777 3.538,17.193 X1.2@2.413,17.193
  other v1: 19.812,24.46 29.972,24.46 27.432,29.54 32.512,29.54 42.672,29.54 47.752,29.54 57.912,29.54 62.992,29.54 45.212,34.62 50.292,34.62 29.388,36.546 32.571,36.546 34.163,36.546 22.352,39.7 42.672,39.7 47.752,39.7 19.812,44.78 40.132,44.78 50.292,44.78
  other v2: 33.75,32.835 34.85,32.835 33.75,33.935 34.85,33.935 33.75,35.035 34.85,35.035
I2C_shared_SCL: P1.4 X1.49 | length 48
  Top Layer w0.254: X1.49@2.413,-5.207 4.877,-5.207 v1(5.207,-5.537)
  Bottom Layer w0.254: v1(5.207,-5.537) 5.258,-5.537 21.603,-21.882 21.603,-31.674 23.102,-33.172 25.679,-33.172 28.194,-35.687 28.194,-36.551 P1.4@26.06,-38.684
I2C_shared_SDA: P1.6 X1.50 | length 51.8
  Bottom Layer w0.254: X1.50@2.413,-5.207 4.412,-5.207 4.763,-4.856 5.517,-4.856 22.267,-21.607 22.267,-31.674 23.233,-32.639 25.685,-32.639 28.702,-35.656 28.702,-38.583 P1.6@26.06,-41.224
MISO1_1: U1.3 X1.17 | length 27
  Top Layer w0.254: X1.17@2.413,10.793 4.57,10.793 6.452,12.675 U1.3@28.65,12.675
MISO1_2: U1.4 X1.18 | length 27
  Top Layer w0.254: v1(5.588,10.795) 7.087,12.294 27.711,12.294 27.834,12.171 27.928,12.171 27.976,12.123 28.552,12.123 U1.4@28.65,12.025
  Bottom Layer w0.254: X1.18@2.413,10.793 2.414,10.794 v1(5.588,10.795) v1(5.588,10.795)
MISO1_3: U1.5 X1.19 | length 27.3
  Top Layer w0.254: X1.19@2.413,9.993 6.056,9.993 7.976,11.913 27.442,11.913 27.882,11.473 28.552,11.473 U1.5@28.65,11.375
MISO1_4: U1.6 X1.20 | length 27.3
  Top Layer w0.254: v1(7.112,9.906) 8.738,11.532 27.284,11.532 27.629,11.187 27.629,11.075 27.882,10.823 28.552,10.823 U1.6@28.65,10.725
  Bottom Layer w0.254: X1.20@2.413,9.993 2.457,9.95 7.068,9.95 v1(7.112,9.906)
MISO1_A: U1.14 U3A.3 | length 25.2
  Top Layer w0.254: U1.14@34.55,12.675 34.615,12.611 36.098,12.611 v1(36.163,12.546) ; v1(55.399,11.191) 55.493,11.191 55.693,11.391 56.722,11.391 U3A.3@56.774,11.444
  Bottom Layer w0.254: v1(36.163,12.546) 36.257,12.546 36.36,12.649 48.971,12.649 50.8,14.478 53.213,14.478 54.273,13.418 54.273,12.317 v1(55.399,11.191)
MISO1_B: U1.13 U3A.5 | length 24.5
  Top Layer w0.254: U1.13@34.55,12.025 35.704,12.025 35.864,11.865 37.015,11.865 37.714,12.565 37.842,12.565 v1(38.608,13.33) ; v1(55.092,13.419) 55.737,12.775 56.001,12.775 56.032,12.744 U3A.5@56.774,12.744
  Bottom Layer w0.254: v1(38.608,13.33) 46.477,13.33 48.133,14.986 53.526,14.986 v1(55.092,13.419)
MISO1_C: U1.12 U3A.11 | length 21.6
  Top Layer w0.254: U1.12@34.55,11.375 34.56,11.385 37.497,11.385 v1(37.507,11.394) ; U3A.11@50.874,13.394 50.972,13.492 51.657,13.492 51.846,13.681 52.688,13.681 52.82,13.548 v1(52.914,13.548)
  Bottom Layer w0.254: v1(37.507,11.394) 37.543,11.43 49.657,11.43 50.292,12.065 50.292,12.127 51.846,13.681 52.41,13.681 52.477,13.614 52.848,13.614 v1(52.914,13.548)
MISO1_D: U1.11 U3A.13 | length 19.4
  Top Layer w0.254: U1.11@34.55,10.725 34.579,10.696 36.421,10.696 v1(36.449,10.668) ; U3A.13@50.874,12.094 51.974,12.094 v1(52.128,11.94)
  Bottom Layer w0.254: v1(36.449,10.668) 50.685,10.668 51.957,11.94 v1(52.128,11.94)
MISO2_1: U8.3 X1.29 | length 30.3
  Top Layer w0.254: X1.29@2.413,5.993 13.108,5.993 23.026,-3.925 U8.3@28.65,-3.925
MISO2_2: U8.4 X1.30 | length 30.6
  Top Layer w0.254: v1(12.841,5.297) 12.915,5.297 22.518,-4.306 27.711,-4.306 27.834,-4.429 27.928,-4.429 27.976,-4.477 28.552,-4.477 U8.4@28.65,-4.575
  Bottom Layer w0.254: X1.30@2.413,5.993 12.145,5.993 v1(12.841,5.297)
MISO2_3: U8.5 X1.31 | length 30.6
  Top Layer w0.254: X1.31@2.413,5.193 2.503,5.283 11.786,5.283 21.756,-4.687 27.401,-4.687 27.794,-5.079 27.928,-5.079 27.976,-5.127 28.552,-5.127 U8.5@28.65,-5.225
MISO2_4: U8.6 X1.32 | length 30.8
  Top Layer w0.254: v1(11.201,4.496) 11.481,4.496 21.045,-5.068 27.187,-5.068 27.671,-5.551 27.671,-5.566 27.882,-5.777 28.552,-5.777 U8.6@28.65,-5.875
  Bottom Layer w0.254: X1.32@2.413,5.193 10.504,5.193 v1(11.201,4.496)
MISO2_A: U3B.3 U8.14 | length 24.9
  Top Layer w0.254: U8.14@34.55,-3.925 38.215,-3.925 v1(44.323,-10.033) ; v1(55.467,-10.048) 55.561,-10.048 55.761,-9.848 56.79,-9.848 U3B.3@56.842,-9.795
  Bottom Layer w0.254: v1(44.323,-10.033) 44.331,-10.041 55.459,-10.041 v1(55.467,-10.048)
MISO2_B: U3B.5 U8.13 | length 23.9
  Top Layer w0.254: U8.13@34.55,-4.575 37.849,-4.575 v1(38.1,-4.826) ; v1(55.16,-7.82) 55.805,-8.464 56.069,-8.464 56.1,-8.495 U3B.5@56.842,-8.495
  Bottom Layer w0.254: v1(38.1,-4.826) 52.166,-4.826 v1(55.16,-7.82)
MISO2_C: U3B.11 U8.12 | length 21.7
  Top Layer w0.254: U8.12@34.55,-5.225 36.811,-5.225 37.301,-5.715 38.989,-5.715 v1(40.64,-7.366) ; U3B.11@50.942,-7.845 51.04,-7.747 51.725,-7.747 51.914,-7.558 52.755,-7.558 52.888,-7.691 v1(52.982,-7.691)
  Bottom Layer w0.254: v1(40.64,-7.366) 52.563,-7.366 52.888,-7.691 v1(52.982,-7.691)
MISO2_D: U3B.13 U8.11 | length 20.9
  Top Layer w0.254: U8.11@34.55,-5.875 36.922,-5.875 37.143,-6.096 38.831,-6.096 39.959,-7.224 39.959,-7.648 40.358,-8.047 40.922,-8.047 40.995,-7.975 v1(41.783,-8.763) ; U3B.13@50.942,-9.145 52.042,-9.145 v1(52.196,-9.3)
  Bottom Layer w0.254: v1(41.783,-8.763) 51.659,-8.763 v1(52.196,-9.3) v1@52.025,-9.3
MISO3_1: U10.3 X1.41 | length 37.7
  Top Layer w0.254: X1.41@2.413,1.193 5.155,1.193 5.427,0.921 7.588,0.921 23.724,-15.215 23.724,-19.38 24.79,-20.447 28.572,-20.447 U10.3@28.65,-20.525
MISO3_2: U10.4 X1.42 | length 37.6
  Top Layer w0.254: v1(11.43,-4.013) 11.481,-4.013 23.089,-15.621 23.089,-19.284 24.633,-20.828 27.633,-20.828 27.882,-21.077 28.552,-21.077 U10.4@28.65,-21.175
  Bottom Layer w0.254: X1.42@2.413,1.193 6.224,1.193 v1(11.43,-4.013)
MISO3_3: U10.5 X1.43 | length 37.2
  Top Layer w0.254: X1.43@2.413,0.393 5.931,0.393 22.25,-15.926 22.25,-18.985 24.475,-21.209 27.364,-21.209 27.882,-21.727 28.552,-21.727 U10.5@28.65,-21.825
MISO3_4: U10.6 X1.44 | length 37.9
  Top Layer w0.254: v1(8.941,-3.912) 9.017,-3.912 21.514,-16.408 21.514,-18.787 24.317,-21.59 27.185,-21.59 27.629,-22.034 27.629,-22.125 27.882,-22.377 28.552,-22.377 U10.6@28.65,-22.475
  Bottom Layer w0.254: X1.44@2.413,0.393 5.931,0.393 8.941,-2.616 v1(8.941,-3.912)
MISO3_A: U3C.3 U10.14 | length 28.2
  Top Layer w0.254: U10.14@34.55,-20.525 34.598,-20.477 36.452,-20.477 38.202,-22.227 38.202,-24.257 45.339,-31.394 v1(46.482,-31.394) ; v1(55.464,-31.486) 55.557,-31.486 55.758,-31.286 56.786,-31.286 U3C.3@56.839,-31.233
  Bottom Layer w0.254: v1(46.482,-31.394) 46.528,-31.44 55.418,-31.44 v1(55.464,-31.486)
MISO3_B: U3C.5 U10.13 | length 25.9
  Top Layer w0.254: U10.13@34.55,-21.175 36.153,-21.175 v1(36.17,-21.158) ; v1(55.156,-29.258) 55.801,-29.902 56.065,-29.902 56.096,-29.933 U3C.5@56.839,-29.933
  Bottom Layer w0.254: v1(36.17,-21.158) 47.057,-21.158 53.59,-27.691 v1(55.156,-29.258)
MISO3_C: U3C.11 U10.12 | length 23.7
  Top Layer w0.254: U10.12@34.55,-21.825 35.775,-21.825 35.925,-21.975 v1(36.67,-21.975) ; U3C.11@50.939,-29.283 51.037,-29.185 51.721,-29.185 51.911,-28.996 52.752,-28.996 52.885,-29.129 v1(52.978,-29.129)
  Bottom Layer w0.254: v1(36.67,-21.975) 45.825,-21.975 v1(52.978,-29.129)
MISO3_D: U3C.13 U10.11 | length 22.4
  Top Layer w0.254: U10.11@34.55,-22.475 35.734,-22.475 v1(36.093,-22.835) ; U3C.13@50.939,-30.583 52.038,-30.583 v1(52.193,-30.737)
  Bottom Layer w0.254: v1(36.093,-22.835) 44.29,-22.835 v1(52.193,-30.737)
MISOAA_N: R21A.1 U3A.1 X2A.2 | length 32.6
  Top Layer w0.178: U3A.1@56.774,10.144 58.549,10.144 R21A.1@58.624,10.219 58.624,10.737 58.728,10.841 59.273,10.841 60.253,10.841 60.357,10.737 60.357,10.135 60.566,9.927 61.292,9.927 61.5,10.135 61.5,12.111 61.932,12.111 61.932,11.154 62.245,10.841 63.754,10.841 64.282,10.841 64.623,10.841 64.935,11.154 64.935,11.517 65.367,11.517 65.367,11.154 65.679,10.841 66.299,10.841 66.446,10.694 66.472,10.668 66.472,8.56 66.421,8.509 65.207,8.509 64.668,7.97 64.668,7.042 65.487,6.223 67.671,6.223 68.143,6.695 68.143,10.984 67.812,11.314 67.812,14.402 X2A.2@67.533,14.681